# Allegro board SG2042_EVB_V2_0.brd (continued)
## Routing (per net, layer and track width the routed paths; a pad name or vN(x,y) marks a point on that pad's centre or on a via; arc(x,y) is an arc through that point) (continued)
DDR1_VDDQCK: length 1
  BOTTOM w0.381: FB15.1 C1452.1
  vias: v1(129.25,227.55)
DDR01_VPP_2V5: length 143.9
  TOP w0.203: R12840.2 197.54,179.15 C6109.2 v1(198.15,178.31)
  TOP w0.254: 183.51,153.75 C4.1 ; C4.1 184.38,153.75 ; C4.1 183.95,154.18 ; 183.51,157.53 C2.1 ; C2.1 184.38,157.53 ; C2.1 183.95,157.96 ; C24.1 174.7,154.18 ; C24.1 174.27,153.75 ; C24.1 175.13,153.75 ; 172.05,159.43 J2.286 ; J2.286 172.71,158.76 ; J2.286 173.37,159.43 ; 176.71,157.91 J1.143 ; J1.143 177.37,158.57 ; J1.143 176.05,158.57 ; J1.287 181.17,158.57 ; J1.287 180.51,157.91 ; J1.287 179.85,158.57 ; J2.288 172.71,158.39 ; J2.288 172.71,157.06 ; J2.288 172.05,157.73 ; J2.288 173.37,157.73 ; 171.11,157.91 J2.287 ; J2.287 171.77,158.57 ; J2.287 170.45,158.57 ; R5.2 R1.2 v1(185.34,213.61) ; J2.143 168.02,158.57 ; J2.143 167.31,159.28 ; J2.143 167.31,157.87 ; C22.1 175.13,157.53 ; C22.1 174.7,157.96 ; C22.1 174.27,157.53 ; J1.288 182.77,157.73 ; J1.288 182.11,157.06 ; J1.288 181.45,157.73 ; J1.288 182.11,158.39 ; 183.95,154.58 C3.1 ; C3.1 184.38,155.02 ; C3.1 183.51,155.02 ; C23.1 175.13,155.02 ; C23.1 174.27,155.02 ; C23.1 174.7,154.58 ; 178.31,158.76 J1.142 ; J1.142 178.97,159.43 ; J1.142 177.65,159.43 ; 174.27,159.61 C21.1 175.13,159.61 ; R8.2 187.96,165.05 ; 183.51,159.61 C1.1 184.38,159.61 ; 168.25,159.43 J2.142 ; J2.142 169.57,159.43 ; J2.142 168.91,158.76 ; 182.11,158.76 J1.286 182.77,159.43
  ART03 w0.254: J1.142 178.31,160.09 ; J1.142 178.31,158.76 ; J1.142 178.97,159.43 ; J1.142 177.65,159.43 ; J1.288 182.77,157.73 ; J1.288 181.45,157.73 ; J1.288 182.11,157.06 ; J1.288 182.11,158.39 ; 168.91,158.76 J2.142 ; J2.142 168.91,160.09 ; J2.142 168.25,159.43 ; J2.142 169.57,159.43 ; 172.05,159.43 J2.286 ; J2.286 173.37,159.43 ; J2.286 172.71,158.76 ; J2.286 172.71,160.09 ; J1.143 176.71,159.24 ; J1.143 176.71,157.91 ; J1.143 177.37,158.57 ; J1.143 176.05,158.57 ; J2.287 171.77,158.57 ; J2.287 171.11,157.91 ; J2.287 171.11,159.24 ; J2.287 170.45,158.57 ; 182.11,158.76 J1.286 ; J1.286 182.77,159.43 ; J1.286 182.11,160.09 ; J1.286 181.45,159.43 ; J2.288 172.71,158.39 ; J2.288 172.71,157.06 ; J2.288 172.05,157.73 ; J2.288 173.37,157.73 ; 182.11,160.46 J1.284 ; J1.284 182.77,161.13 ; J1.284 181.45,161.13 ; J1.287 181.17,158.57 ; J1.287 180.51,157.91 ; J1.287 179.85,158.57 ; J1.287 180.51,159.24 ; J2.284 173.37,161.13 ; J2.284 172.71,160.46 ; J2.284 172.05,161.13
  ART14 w0.203: v1(198.15,178.31) 196.71,178.31 196.03,178.99 194.88,178.99 194.08,178.2 194.08,176.62 195.4,175.29 195.4,165.37 193.62,163.59 193.62,160.83 193.42,160.63 v1(192,160.63)
  ART14 w0.381: v1(183.34,159.61) 184.2,160.48 184.2,212.47 v1(185.34,213.61)
  vias: v1(174.09,159.61) v1(174.09,157.53) v1(174.09,153.75) v1(183.34,157.53) v1(183.34,153.75) v1(192,160.07) v1(192,158.88) v1(192,158.32)
DDR01_VTT_0V6: length 12.4
  TOP w0.254: 176.05,219.78 J1.77 ; J1.77 176.71,219.11 ; J1.77 177.37,219.78 ; 179.85,219.78 J1.221 ; J1.221 180.51,219.11 ; J1.221 181.17,219.78 ; 167.97,219.78 J2.77 167.31,219.11 ; R450.2 192.81,223.77 192.2,224.38 U47.3 ; 171.11,219.11 J2.221 ; J2.221 171.77,219.78 ; J2.221 170.45,219.78
  TOP w0.508: 192.81,220.01 C1426.1 C1425.1 C1424.1 R450.2
DDR2_ACT_N: length 58.7
  TOP w0.173: U1.BB2 v1(89.75,207.05)
  ART14 w0.15: v1(89.75,207.05) 89.25,206.55 87.55,206.55 86.77,205.77 80.85,205.77 69.86,216.76 69.86,230.62 67.11,233.37 66.4,233.37 arc(65.86,233.48) 65.4,233.79 65.32,233.86 arc(64.92,234.13) 64.45,234.23 64.42,234.23 arc(63.95,234.13) 63.55,233.86 63.42,233.74 arc(63.02,233.47) 62.55,233.37 62.52,233.37 arc(62.05,233.47) 61.65,233.74 61.58,233.81 arc(61.12,234.12) 60.57,234.23 59.8,234.23 arc(59.26,234.12) 58.8,233.81 58.78,233.79 arc(58.32,233.48) 57.78,233.37 57,233.37 arc(56.46,233.27) 56,232.96 55.98,232.94 arc(55.52,232.63) 54.98,232.53 J3.62
DDR2_ALERT_N: length 56.4
  TOP w0.173: J3.208 54.51,230.83 53.66,231.67 52.61,231.67 51.77,230.84 R2243.1 ; U1.AV6 v1(93.75,211.05)
  ART05 w0.135: J3.208 57.01,231.05 arc(58.65,232.14) 60.57,232.53 60.57,232.53 arc(61.12,232.42) 61.58,232.11 61.65,232.04 arc(62.05,231.77) 62.52,231.67 62.55,231.67 arc(63.02,231.58) 63.42,231.31 63.55,231.19 arc(63.95,230.92) 64.42,230.83 64.45,230.83 arc(64.92,230.73) 65.32,230.46 65.4,230.39 arc(65.86,230.08) 66.4,229.97 67.08,229.97 73.74,223.32 73.74,221.06 84.24,210.55 93.25,210.55 v1(93.75,211.05)
DDR2_ATB0: length 1.4
  TOP w0.173: U1.BD9 v1(96.75,205.05)
  BOTTOM w0.173: T23.1 v1(96.75,205.05)
DDR2_ATB1: length 1.4
  TOP w0.173: U1.BC9 v1(96.75,206.05)
  BOTTOM w0.173: T24.1 v1(96.75,206.05)
DDR2_BA0: length 51.9
  TOP w0.173: U1.BE2 v1(89.75,204.05)
  BOTTOM w0.173: J3.81 53.08,211.28 arc(53.62,211.38) 54.08,211.69 54.15,211.77 arc(54.55,212.03) 55.02,212.13 55.06,212.13 arc(55.52,212.03) 55.92,211.77 56,211.69 arc(56.46,211.38) 57,211.27 57.78,211.27 arc(58.32,211.38) 58.78,211.69 58.8,211.71 arc(59.26,212.02) 59.8,212.13 60.58,212.13 arc(61.12,212.02) 61.57,211.71 61.65,211.63 arc(62.05,211.37) 62.52,211.27 62.55,211.27 arc(63.02,211.37) 63.42,211.63 63.55,211.77 arc(63.95,212.03) 64.42,212.13 64.45,212.13 arc(64.92,212.03) 65.32,211.77 65.4,211.69 arc(65.86,211.38) 66.4,211.27 68.43,211.27 68.85,210.86 68.85,210.62 68.49,210.26 68.49,210.02 68.8,209.71 69.04,209.71 69.4,210.07 69.64,210.07 73.93,205.78 74.17,205.78 75.09,206.69 75.33,206.69 75.64,206.39 75.64,206.14 74.72,205.23 74.72,204.98 75.03,204.68 75.27,204.68 76.19,205.59 76.43,205.59 76.74,205.29 76.74,205.05 75.82,204.13 75.82,203.88 76.13,203.58 76.37,203.58 77.29,204.5 77.53,204.5 78.71,203.32 87.85,203.32 88.08,203.55 89.25,203.55 v1(89.75,204.05)
DDR2_BA1: length 55.3
  TOP w0.173: U1.BD3 v1(90.75,205.05)
  BOTTOM w0.173: v1(90.75,205.05) 90.25,204.55 88.27,204.55 87.73,204.01 79,204.01 75.17,207.84 74.93,207.84 74.01,206.92 73.77,206.92 73.46,207.22 73.46,207.47 74.38,208.38 74.38,208.63 74.07,208.93 73.83,208.93 72.91,208.02 72.67,208.02 72.36,208.32 72.36,208.57 73.28,209.48 73.28,209.73 72.97,210.03 72.73,210.03 71.81,209.12 71.57,209.12 71.26,209.42 71.26,209.67 72.18,210.58 72.18,210.83 71.87,211.13 71.63,211.13 70.71,210.22 70.47,210.22 70.16,210.52 70.16,210.77 71.08,211.68 71.08,211.93 70.77,212.23 70.53,212.23 69.61,211.32 69.37,211.32 69.06,211.62 69.06,211.87 69.98,212.78 69.98,213.03 69.67,213.33 69.43,213.33 68.51,212.41 68.27,212.41 67.71,212.97 66.4,212.97 arc(65.86,213.08) 65.4,213.39 65.32,213.47 arc(64.92,213.73) 64.45,213.83 64.42,213.83 arc(63.95,213.73) 63.55,213.47 63.42,213.33 arc(63.02,213.07) 62.55,212.97 62.52,212.97 arc(62.05,213.07) 61.65,213.33 61.57,213.41 arc(61.12,213.72) 60.58,213.83 59.67,213.83 arc(58.58,213.61) 57.65,212.99 J3.224
DDR2_BG0: length 58.5
  TOP w0.173: U1.BC2 v1(89.75,206.05)
  ART14 w0.15: v1(89.75,206.05) 88.45,206.05 87.67,205.28 80.64,205.28 69.37,216.56 69.37,223.46 67.27,231.07 arc(66.98,231.51) 66.47,231.67 66.4,231.67 arc(65.86,231.78) 65.4,232.09 65.32,232.16 arc(64.92,232.43) 64.45,232.53 64.42,232.53 arc(63.95,232.43) 63.55,232.16 63.42,232.04 arc(63.02,231.77) 62.55,231.67 62.52,231.67 arc(62.05,231.77) 61.65,232.04 61.58,232.11 arc(61.12,232.42) 60.57,232.53 60.46,232.53 arc(59.92,232.42) 59.46,232.11 59.44,232.09 arc(58.98,231.78) 58.44,231.67 57,231.67 arc(56.46,231.57) 56,231.26 55.92,231.19 arc(55.52,230.92) 55.05,230.83 55.02,230.83 arc(54.55,230.92) 54.15,231.19 54.08,231.26 arc(53.62,231.57) 53.08,231.68 J3.63
DDR2_BG1: length 59.2
  TOP w0.173: U1.AV5 v1(92.75,211.05)
  ART07 w0.135: v1(92.75,211.05) 92.25,210.55 83.71,210.55 73.43,220.83 73.43,225.32 71.72,227.03 71.53,227.03 70.95,226.45 70.76,226.45 70.46,226.74 70.46,226.93 71.05,227.52 71.05,227.71 70.75,228 70.56,228 69.98,227.42 69.79,227.42 69.49,227.71 69.49,227.9 70.08,228.49 70.08,228.68 69.78,228.97 69.59,228.97 69.01,228.39 68.82,228.39 68.52,228.68 68.52,228.87 69.11,229.46 69.11,229.65 68.81,229.94 68.62,229.94 68.04,229.36 67.85,229.36 67.55,229.65 67.55,229.84 68.14,230.43 68.14,230.62 67.08,231.67 66.29,231.67 arc(65.85,231.76) 65.47,232.02 65.32,232.16 arc(64.92,232.43) 64.45,232.53 64.42,232.53 arc(63.95,232.62) 63.55,232.89 63.42,233.01 arc(63.02,233.28) 62.55,233.37 62.52,233.37 arc(62.05,233.47) 61.65,233.74 61.58,233.81 arc(61.12,234.12) 60.57,234.23 59.8,234.23 arc(59.26,234.12) 58.8,233.81 58.78,233.79 arc(58.32,233.48) 57.77,233.37 57.27,233.37 arc(56.48,233.22) 55.81,232.77 55.52,232.49 arc(55.28,232.11) J3.207
DDR2_CAL_0: length 2.4
  TOP w0.173: U1.BA8 v1(95.75,208.05)
  BOTTOM w0.173: T22.1 95.26,209.54 R2384.1 v1(95.75,208.05)
DDR2_CID0: length 50.7
  TOP w0.173: U1.BG5 v1(92.75,202.05)
  ART07 w0.135: v1(92.75,202.05) 92.25,202.55 71.81,202.55 71.67,202.42 71.67,201.4 71.54,201.27 71.12,201.27 70.99,201.4 70.99,202.42 70.85,202.55 70.44,202.55 70.3,202.42 70.3,201.4 70.17,201.27 69.75,201.27 69.62,201.4 69.62,202.42 69.48,202.55 69.06,202.55 68.93,202.42 68.93,201.4 68.79,201.27 68.38,201.27 68.24,201.4 68.24,202.64 68.11,202.78 66.35,202.78 arc(65.85,202.87) 65.43,203.16 65.32,203.26 arc(64.92,203.53) 64.45,203.62 64.42,203.62 arc(63.95,203.53) 63.55,203.26 63.42,203.14 arc(63.02,202.87) 62.55,202.78 62.52,202.78 arc(62.05,202.68) 61.65,202.41 61.58,202.34 arc(61.12,202.03) 60.57,201.92 58.7,201.92 arc(58.16,201.82) 57.7,201.51 57.56,201.37 arc(57.23,201.15) 56.85,201.08 56.83,201.08 arc(56.44,201.15) 56.12,201.37 55.93,201.56 arc(55.52,201.83) 55.05,201.92 55.02,201.92 arc(54.55,201.83) 54.15,201.56 54.08,201.49 arc(53.62,201.18) 53.08,201.08 J3.93
DDR2_CID1: length 51
  TOP w0.173: U1.BF6 v1(93.75,203.05)
  ART05 w0.135: J3.237 56.67,201.08 arc(57.21,200.97) 57.67,200.66 57.69,200.64 arc(58.15,200.33) 58.7,200.22 60.57,200.22 arc(61.12,200.33) 61.58,200.64 61.65,200.71 arc(62.05,200.98) 62.52,201.08 62.55,201.08 arc(63.02,201.17) 63.42,201.44 63.55,201.56 arc(63.95,201.83) 64.42,201.92 64.45,201.92 arc(64.92,201.83) 65.32,201.56 65.4,201.49 arc(65.86,201.18) 66.4,201.08 67.09,201.08 68.57,202.55 69.21,202.55 69.35,202.42 69.35,201.28 69.48,201.14 69.9,201.14 70.03,201.28 70.03,202.42 70.17,202.55 70.58,202.55 70.72,202.42 70.72,201.28 70.85,201.14 71.27,201.14 71.4,201.28 71.4,202.42 71.54,202.55 71.96,202.55 72.09,202.42 72.09,201.28 72.22,201.14 72.64,201.14 72.78,201.28 72.78,202.42 72.91,202.55 73.33,202.55 73.46,202.42 73.46,201.28 73.6,201.14 74.01,201.14 74.15,201.28 74.15,202.42 74.28,202.55 93.25,202.55 v1(93.75,203.05)
DDR2_CKE0: length 61.1
  TOP w0.173: U1.AU7 v1(94.75,212.05)
  ART05 w0.135: v1(94.75,212.05) 94.25,211.55 84.37,211.55 74.53,221.39 74.53,225.93 71.88,228.57 71.69,228.57 71.29,228.17 71.1,228.17 70.8,228.46 70.8,228.65 71.21,229.06 71.21,229.25 70.91,229.54 70.72,229.54 70.32,229.14 70.13,229.14 69.83,229.43 69.83,229.62 70.24,230.03 70.24,230.22 69.94,230.51 69.75,230.51 69.35,230.11 69.16,230.11 68.86,230.4 68.86,230.59 69.27,231 69.27,231.19 68.97,231.48 68.78,231.48 68.38,231.08 68.19,231.08 67.89,231.37 67.89,231.56 68.3,231.97 68.3,232.16 67.08,233.37 66.4,233.37 arc(65.86,233.48) 65.4,233.79 65.32,233.86 arc(64.92,234.13) 64.45,234.23 64.42,234.23 arc(63.95,234.32) 63.55,234.59 63.42,234.71 arc(63.02,234.98) 62.55,235.07 62.52,235.07 arc(62.05,235.17) 61.65,235.44 61.58,235.51 arc(61.12,235.82) 60.57,235.93 59.8,235.93 arc(59.26,235.82) 58.8,235.51 58.78,235.49 arc(58.32,235.18) 57.77,235.07 57,235.07 arc(56.46,234.97) 56,234.66 55.98,234.64 arc(55.52,234.33) 54.98,234.23 J3.60
DDR2_CKE1: length 60
  TOP w0.173: U1.AU6 v1(93.75,212.05)
  ART07 w0.135: J3.203 55.19,235.07 57.77,235.07 arc(58.32,235.18) 58.78,235.49 58.8,235.51 arc(59.26,235.82) 59.8,235.93 60.57,235.93 arc(61.12,235.82) 61.58,235.51 61.65,235.44 arc(62.05,235.17) 62.52,235.07 62.55,235.07 arc(63.02,235.17) 63.42,235.44 63.55,235.56 arc(63.95,235.83) 64.42,235.93 64.45,235.93 arc(64.92,235.83) 65.32,235.56 65.47,235.42 arc(65.85,235.16) 66.29,235.07 67.08,235.07 67.92,234.24 67.92,234.05 67.31,233.44 67.31,233.25 67.61,232.95 67.8,232.95 68.41,233.56 68.6,233.56 68.89,233.27 68.89,233.08 68.28,232.47 68.28,232.28 68.58,231.98 68.77,231.98 69.38,232.59 69.57,232.59 69.86,232.3 69.86,232.11 69.25,231.5 69.25,231.31 69.55,231.01 69.74,231.01 70.35,231.62 70.54,231.62 74.28,227.88 74.28,221.15 83.88,211.55 93.25,211.55 v1(93.75,212.05)
DDR2_CLK0_N: length 58.1
  TOP w0.173: U1.BB5 v1(92.75,207.05)
  ART05 w0.112: 87.07,206.43 87.1,206.43 87.11,206.44 92.3,206.44 92.53,206.67 92.53,206.83 v1(92.75,207.05)
  ART05 w0.117: J3.75 52.19,221.37 arc(52.34,221.36) 52.49,221.35 53.12,221.35 arc(53.67,221.46) 54.13,221.77 54.27,221.91 arc(54.6,222.13) 54.98,222.2 55.1,222.2 arc(55.57,222.3) 55.98,222.57 56.12,222.7 arc(56.5,222.96) 56.96,223.05 58.31,223.05 arc(59.28,222.65) 59.68,221.69 59.68,219.37 arc(60.04,218.51) 60.91,218.15 68.78,218.15 69.51,217.41 69.51,217.25 68.47,216.21 68.47,215.84 69.04,215.27 69.41,215.27 70.45,216.31 70.61,216.31 71.04,215.88 71.04,215.71 70,214.68 70,214.31 70.58,213.73 70.94,213.73 71.98,214.77 72.15,214.77 80.49,206.43 87.07,206.43
DDR2_CLK0_P: length 58.1
  TOP w0.173: U1.BB4 v1(91.75,207.05)
  ART05 w0.112: v1(91.75,207.05) 92.19,207.05 92.31,206.93 92.31,206.77 92.21,206.66 87.11,206.66 87.1,206.67 87.07,206.67
  ART05 w0.117: J3.74 52.47,222.05 arc(52.36,221.92) 52.38,221.75 52.39,221.74 arc(52.48,221.63) 52.62,221.6 53.12,221.6 arc(53.58,221.69) 53.96,221.95 54.1,222.08 arc(54.5,222.35) 54.98,222.45 55.1,222.45 arc(55.48,222.52) 55.81,222.74 55.94,222.88 arc(56.41,223.19) 56.96,223.3 58.31,223.3 arc(59.45,222.83) 59.92,221.69 59.92,219.37 arc(60.21,218.68) 60.91,218.39 68.88,218.39 69.75,217.52 69.75,217.15 68.71,216.11 68.71,215.94 69.14,215.51 69.31,215.51 70.35,216.55 70.71,216.55 71.29,215.98 71.29,215.61 70.25,214.57 70.25,214.41 70.68,213.98 70.84,213.98 71.88,215.02 72.25,215.02 80.59,206.67 87.07,206.67
DDR2_CLK1_N: length 57.1
  TOP w0.173: U1.BC4 v1(91.75,206.05)
  ART05 w0.112: 87.07,205.25 87.1,205.25 87.11,205.26 88.16,205.26 88.33,205.44 91.3,205.44 91.54,205.67 91.54,205.84 v1(91.75,206.05)
  ART05 w0.117: J3.219 55.99,221.37 arc(56.14,221.36) 56.29,221.35 58.28,221.35 arc(58.44,221.29) 58.51,221.12 58.51,218.89 arc(59.07,217.53) 60.42,216.97 65.68,216.97 70.76,211.89 71.13,211.89 72,212.76 72.16,212.76 72.59,212.33 72.59,212.16 71.73,211.29 71.73,210.93 72.3,210.35 72.67,210.35 73.53,211.22 73.7,211.22 74.13,210.79 74.13,210.63 73.26,209.76 73.26,209.39 73.83,208.82 74.2,208.82 75.07,209.69 75.23,209.69 75.66,209.26 75.66,209.09 74.8,208.22 74.8,207.86 75.37,207.28 75.73,207.28 76.6,208.15 76.77,208.15 77.2,207.72 77.2,207.56 76.33,206.69 76.33,206.32 77.4,205.25 87.07,205.25
DDR2_CLK1_P: length 57.1
  TOP w0.173: U1.BC3 v1(90.75,206.05)
  ART05 w0.112: 87.07,205.5 87.1,205.5 87.11,205.49 88.06,205.49 88.24,205.66 91.21,205.66 91.32,205.77 91.32,205.94 91.2,206.05 v1(90.75,206.05)
  ART05 w0.117: 87.07,205.5 77.5,205.5 76.57,206.42 76.57,206.59 77.44,207.46 77.44,207.82 76.87,208.4 76.5,208.4 75.63,207.53 75.47,207.53 75.04,207.96 75.04,208.12 75.91,208.99 75.91,209.36 75.33,209.93 74.97,209.93 74.1,209.06 73.93,209.06 73.5,209.49 73.5,209.66 74.37,210.53 74.37,210.89 73.8,211.47 73.43,211.47 72.56,210.6 72.4,210.6 71.97,211.03 71.97,211.19 72.84,212.06 72.84,212.43 72.26,213 71.9,213 71.03,212.13 70.86,212.13 65.78,217.22 60.42,217.22 arc(59.24,217.71) 58.75,218.89 58.75,221.12 arc(58.61,221.46) 58.28,221.6 56.42,221.6 arc(56.28,221.64) 56.18,221.74 56.18,221.76 arc(56.16,221.92) 56.26,222.05 J3.218
DDR2_CS_N0: length 49.5
  TOP w0.173: U1.BF1 v1(88.75,203.05)
  BOTTOM w0.173: v1(88.75,203.05) 88.29,203.05 87.87,202.63 76.1,202.63 72.21,206.52 70.64,206.52 70.47,206.7 70.47,208.03 70.3,208.2 69.87,208.2 69.69,208.03 69.69,206.7 69.52,206.52 69.09,206.52 68.92,206.7 68.92,208.69 68.74,208.86 68.31,208.86 68.14,208.69 68.14,206.7 67.97,206.52 67.53,206.52 67.36,206.7 67.36,209.4 67.19,209.57 66.39,209.57 arc(65.86,209.47) 65.4,209.16 65.32,209.08 arc(64.92,208.82) 64.45,208.73 64.42,208.73 arc(63.95,208.82) 63.55,209.08 63.42,209.22 arc(63.02,209.48) 62.55,209.57 62.52,209.57 arc(62.05,209.48) 61.65,209.22 61.57,209.14 arc(61.12,208.83) 60.58,208.73 59.8,208.73 arc(59.26,208.83) 58.8,209.14 58.78,209.16 arc(58.32,209.47) 57.78,209.57 57,209.57 arc(56.46,209.47) 56,209.16 55.98,209.14 arc(55.52,208.83) 54.98,208.73 J3.84
DDR2_CS_N1: length 48.2
  TOP w0.173: U1.BG2 v1(89.75,202.05)
  BOTTOM w0.173: v1(89.75,202.05) 89.25,202.55 88.53,202.55 87.91,201.94 75.7,201.94 73.16,204.48 71.62,204.48 71.44,204.65 71.44,205.54 71.27,205.71 70.84,205.71 70.67,205.54 70.67,204.65 70.49,204.48 70.06,204.48 69.89,204.65 69.89,205.54 69.72,205.71 69.29,205.71 69.11,205.54 69.11,204.65 68.94,204.48 68.51,204.48 68.34,204.65 68.34,205.54 68.16,205.71 67.73,205.71 67.56,205.54 67.56,204.65 67.39,204.48 66.4,204.48 arc(65.86,204.37) 65.4,204.06 65.32,203.98 arc(64.92,203.72) 64.45,203.62 64.42,203.62 arc(63.95,203.72) 63.55,203.98 63.42,204.12 arc(63.02,204.38) 62.55,204.48 62.52,204.48 arc(62.05,204.38) 61.65,204.12 61.57,204.04 arc(61.12,203.73) 60.58,203.62 59.8,203.62 arc(59.26,203.73) 58.8,204.04 58.78,204.06 arc(58.32,204.37) 57.78,204.48 57,204.48 arc(56.46,204.37) 56,204.06 55.92,203.98 arc(55.52,203.72) 55.06,203.62 55.02,203.62 arc(54.55,203.72) 54.15,203.98 54.08,204.06 arc(53.62,204.37) 53.08,204.48 J3.89
DDR2_DM0_N: length 89.6
  TOP w0.173: U1.AJ2 v1(89.75,220.05)
  ART14 w0.122: v1(89.75,220.05) 89.47,220.33 89.47,220.42 89.23,220.66 88.2,220.66 87.55,221.3 87.55,221.34
  ART14 w0.135: 87.55,221.34 86.76,222.13 86.76,262.09 69.43,279.43 66.32,279.43 arc(65.88,279.51) 65.51,279.76 65.41,279.86 arc(64.97,280.15) 64.45,280.26 64.42,280.26 arc(63.9,280.15) 63.46,279.86 63.33,279.73 arc(62.97,279.49) 62.55,279.41 62.52,279.41 arc(62.1,279.49) 61.74,279.73 61.64,279.84 arc(61.17,280.15) 60.62,280.26 59.75,280.26 arc(59.2,280.15) 58.74,279.84 58.65,279.75 arc(58.27,279.49) 57.82,279.41 56.96,279.41 arc(56.41,279.3) 55.95,278.99 55.81,278.85 arc(55.49,278.63) 55.11,278.56 54.98,278.56 arc(54.5,278.46) 54.09,278.19 53.93,278.03 arc(53.57,277.79) 53.15,277.71 53.09,277.71 arc(52.7,277.78) 52.37,278.01 52.06,278.32 arc(51.98,278.47) 52.01,278.63 52.01,278.64 arc(52.17,278.77) 52.38,278.75 J3.8
DDR2_DM0_P: length 89.5
  TOP w0.173: U1.AJ1 v1(88.75,220.05)
  ART14 w0.122: v1(88.75,220.05) 89.13,220.05 89.25,220.17 89.25,220.33 89.14,220.44 88.11,220.44 87.43,221.13 87.39,221.13 87.37,221.16
  ART14 w0.135: 87.37,221.16 86.5,222.02 86.5,261.98 69.32,279.16 66.32,279.16 arc(65.78,279.27) 65.33,279.57 65.23,279.67 arc(64.87,279.91) 64.45,279.99 64.42,279.99 arc(64,279.91) 63.64,279.67 63.51,279.54 arc(63.07,279.25) 62.55,279.14 62.52,279.14 arc(62,279.25) 61.56,279.54 61.45,279.65 arc(61.07,279.91) 60.62,279.99 59.75,279.99 arc(59.3,279.91) 58.92,279.65 58.84,279.56 arc(58.37,279.25) 57.82,279.14 56.96,279.14 arc(56.51,279.06) 56.13,278.8 56,278.66 arc(55.59,278.39) 55.11,278.29 54.98,278.29 arc(54.6,278.22) 54.28,278 54.12,277.84 arc(53.67,277.55) 53.15,277.44 53.09,277.44 arc(52.6,277.54) 52.18,277.82 51.84,278.17 arc(51.75,278.28) 51.68,278.41 J3.7
DDR2_DM1_N: length 86
  TOP w0.173: U1.AP1 v1(88.75,215.05)
  ART14 w0.122: 86.59,215.78 86.62,215.78 86.64,215.81 87.83,215.81 88.19,215.44 89.21,215.44 89.33,215.32 89.33,215.17 89.21,215.05 v1(88.75,215.05)
  ART14 w0.135: J3.19 52.15,268.97 arc(52.34,268.95) 52.52,268.94 53.12,268.94 arc(53.67,269.05) 54.14,269.36 54.25,269.47 arc(54.6,269.71) 55.02,269.79 55.06,269.79 arc(55.47,269.71) 55.83,269.47 55.94,269.36 arc(56.4,269.05) 56.95,268.94 57.82,268.94 arc(58.37,269.05) 58.84,269.36 58.92,269.45 arc(59.3,269.71) 59.75,269.79 60.62,269.79 arc(61.07,269.71) 61.45,269.45 61.56,269.34 arc(62,269.05) 62.52,268.94 62.55,268.94 arc(63.07,269.05) 63.51,269.34 63.64,269.47 arc(64,269.71) 64.42,269.79 64.45,269.79 arc(64.87,269.71) 65.23,269.47 65.37,269.34 arc(65.8,269.05) 66.31,268.94 67.11,268.94 67.82,268.23 68.23,268.23 68.9,268.9 69.09,268.9 69.53,268.45 69.53,268.26 68.87,267.6 68.87,267.19 70.37,265.68 70.37,258.39 81.03,247.74 81.03,219.75 85,215.78 86.59,215.78
DDR2_DM1_P: length 86
  TOP w0.173: U1.AP2 v1(89.75,215.05)
  ART14 w0.122: 86.59,216.04 86.62,216.04 86.64,216.02 87.92,216.02 88.28,215.66 89.3,215.66 89.54,215.41 89.54,215.26 v1(89.75,215.05)
  ART14 w0.135: J3.18 52.47,269.65 arc(52.36,269.52) 52.38,269.36 52.41,269.29 arc(52.47,269.23) 52.56,269.21 53.12,269.21 arc(53.57,269.29) 53.95,269.55 54.06,269.66 arc(54.5,269.95) 55.02,270.06 55.06,270.06 arc(55.57,269.95) 56.02,269.66 56.13,269.55 arc(56.5,269.29) 56.95,269.21 57.82,269.21 arc(58.27,269.29) 58.65,269.55 58.74,269.64 arc(59.2,269.95) 59.75,270.06 60.62,270.06 arc(61.17,269.95) 61.63,269.64 61.74,269.53 arc(62.1,269.29) 62.52,269.21 62.55,269.21 arc(62.97,269.29) 63.33,269.53 63.46,269.66 arc(63.9,269.95) 64.42,270.06 64.45,270.06 arc(64.97,269.95) 65.41,269.66 65.55,269.52 arc(65.9,269.29) 66.31,269.21 67.22,269.21 67.93,268.49 68.12,268.49 68.79,269.16 69.2,269.16 69.79,268.56 69.79,268.15 69.13,267.49 69.13,267.3 70.63,265.79 70.63,258.5 81.29,247.84 81.29,219.86 85.11,216.04 86.59,216.04
DDR2_DM2_N: length 76.5
  TOP w0.173: U1.AK8 v1(95.75,219.05)
  ART05 w0.112: v1(95.75,219.05) 95.75,219.35 95.36,219.74 95.36,220.35 95.05,220.66 94.3,220.66 93.3,221.66 88.27,221.66 87.59,222.35 87.59,222.36
  ART05 w0.117: 87.59,222.36 84.44,225.51 84.44,244.59 68.33,260.7 66.22,260.7 arc(65.89,260.76) 65.61,260.95 65.41,261.15 arc(64.97,261.44) 64.45,261.55 64.42,261.55 arc(63.9,261.44) 63.46,261.15 63.34,261.02 arc(62.98,260.78) 62.55,260.7 62.52,260.7 arc(62.1,260.78) 61.74,261.02 61.63,261.13 arc(61.17,261.44) 60.62,261.55 59.76,261.55 arc(59.21,261.44) 58.74,261.13 58.66,261.05 arc(58.27,260.79) 57.82,260.7 56.96,260.7 arc(56.41,260.59) 55.94,260.28 55.81,260.14 arc(55.48,259.92) 55.1,259.85 54.98,259.85 arc(54.5,259.75) 54.1,259.48 53.94,259.32 arc(53.58,259.08) 53.15,259 53.1,259 arc(52.7,259.08) 52.36,259.3 52.05,259.61 arc(51.99,259.73) 52.01,259.87 52.06,259.95 arc(52.2,260.07) 52.38,260.05 J3.30
DDR2_DM2_P: length 76.4
  TOP w0.173: U1.AK7 v1(94.75,219.05)
  ART05 w0.112: v1(94.75,219.05) 95.1,219.05 95.29,219.24 95.29,219.5 95.14,219.65 95.14,220.25 94.95,220.44 94.2,220.44 93.2,221.44 88.18,221.44 87.43,222.19 87.42,222.19
  ART05 w0.117: 87.42,222.19 84.19,225.41 84.19,244.49 68.23,260.45 66.22,260.45 arc(65.8,260.54) 65.43,260.78 65.24,260.98 arc(64.88,261.22) 64.45,261.3 64.42,261.3 arc(64,261.22) 63.64,260.98 63.51,260.85 arc(63.07,260.56) 62.55,260.45 62.52,260.45 arc(62,260.56) 61.56,260.85 61.46,260.95 arc(61.07,261.21) 60.62,261.3 59.76,261.3 arc(59.3,261.21) 58.91,260.95 58.83,260.87 arc(58.37,260.56) 57.82,260.45 56.96,260.45 arc(56.5,260.36) 56.12,260.1 55.98,259.97 arc(55.57,259.7) 55.1,259.6 54.98,259.6 arc(54.6,259.53) 54.27,259.31 54.11,259.15 arc(53.67,258.86) 53.15,258.75 53.1,258.75 arc(52.6,258.85) 52.18,259.13 51.87,259.45 arc(51.76,259.58) 51.68,259.74 J3.29
DDR2_DM3_N: length 70.4
  TOP w0.173: U1.AP5 v1(92.75,215.05)
  ART05 w0.112: 86.29,215.89 86.3,215.89 86.76,215.44 93.26,215.44 93.36,215.33 93.36,215.17 93.24,215.05 v1(92.75,215.05)
  ART05 w0.117: 86.29,215.89 78.95,223.24 78.95,238.35 70.11,247.18 70.11,247.55 70.42,247.86 70.42,248.02 69.99,248.45 69.82,248.45 69.52,248.15 69.15,248.15 68.58,248.72 68.58,249.09 68.88,249.39 68.88,249.56 68.19,250.25 66.24,250.25 arc(65.8,250.34) 65.42,250.59 65.24,250.78 arc(64.88,251.02) 64.45,251.1 64.42,251.1 arc(64,251.02) 63.64,250.78 63.51,250.65 arc(63.07,250.36) 62.55,250.25 62.52,250.25 arc(62,250.36) 61.56,250.65 61.46,250.75 arc(61.07,251.01) 60.62,251.1 59.76,251.1 arc(59.3,251.01) 58.91,250.75 58.83,250.67 arc(58.37,250.36) 57.82,250.25 56.96,250.25 arc(56.41,250.36) 55.94,250.67 55.84,250.78 arc(55.48,251.02) 55.05,251.1 55.02,251.1 arc(54.6,251.02) 54.24,250.78 54.13,250.67 arc(53.67,250.36) 53.12,250.25 52.49,250.25 arc(52.34,250.26) 52.19,250.27 J3.41
DDR2_DM3_P: length 70.3
  TOP w0.173: U1.AP6 v1(93.75,215.05)
  ART05 w0.112: v1(93.75,215.05) 93.58,215.22 93.58,215.43 93.35,215.66 86.85,215.66 86.46,216.05 86.46,216.07
  ART05 w0.117: J3.40 52.46,250.95 arc(52.36,250.83) 52.38,250.67 52.42,250.59 arc(52.49,250.52) 52.58,250.5 53.12,250.5 arc(53.57,250.59) 53.96,250.85 54.07,250.95 arc(54.51,251.24) 55.02,251.35 55.05,251.35 arc(55.57,251.24) 56.01,250.95 56.12,250.85 arc(56.5,250.59) 56.96,250.5 57.82,250.5 arc(58.27,250.59) 58.66,250.85 58.74,250.93 arc(59.21,251.24) 59.76,251.35 60.62,251.35 arc(61.17,251.24) 61.63,250.93 61.74,250.82 arc(62.1,250.58) 62.52,250.5 62.55,250.5 arc(62.98,250.58) 63.34,250.82 63.46,250.95 arc(63.9,251.24) 64.42,251.35 64.45,251.35 arc(64.97,251.24) 65.41,250.95 65.59,250.77 arc(65.89,250.57) 66.24,250.5 68.29,250.5 69.13,249.66 69.13,249.29 68.82,248.99 68.82,248.82 69.25,248.39 69.42,248.39 69.72,248.7 70.09,248.7 70.66,248.12 70.66,247.76 70.36,247.45 70.36,247.29 79.19,238.45 79.19,223.34 86.46,216.07
DDR2_DM4_N: length 45.4
  TOP w0.173: U1.BJ3 v1(90.75,200.05)
  ART14 w0.122: v1(90.75,200.05) 91.19,200.05 91.32,199.92 91.32,199.78 91.19,199.66 88,199.66 87.39,199.05 87.13,199.05 87.1,199.08 87.07,199.08
  ART14 w0.135: 87.07,199.08 74.95,199.08 71.98,196.11 66.27,196.11 arc(65.9,196.18) 65.58,196.39 65.41,196.56 arc(64.97,196.85) 64.45,196.96 64.42,196.96 arc(63.9,196.85) 63.46,196.56 63.33,196.43 arc(62.97,196.19) 62.55,196.11 62.52,196.11 arc(62.1,196.19) 61.74,196.43 61.63,196.54 arc(61.17,196.85) 60.62,196.96 59.75,196.96 arc(59.2,196.85) 58.74,196.54 58.65,196.45 arc(58.27,196.19) 57.82,196.11 56.95,196.11 arc(56.4,196) 55.94,195.69 55.8,195.54 arc(55.48,195.33) 55.1,195.26 54.98,195.26 arc(54.5,195.16) 54.09,194.89 53.93,194.73 arc(53.57,194.49) 53.16,194.41 53.09,194.41 arc(52.7,194.48) 52.37,194.71 52.06,195.02 arc(51.98,195.16) 52.01,195.32 52.03,195.35 arc(52.18,195.47) 52.37,195.45 J3.100